# Altium PCB PiMX8MP_BRIDGE_FPC_r0.1.PcbDoc (part 2 of 2)
Units mm, origin at the board's own origin, x right, y up, seen from the top; angles counter-clockwise.
Board outline 53.68 x 17.99 mm, 4 copper layers (Top Layer, L2 GND, L3 GND, Bottom Layer), stack 0.148 mm thick; 2 components, 38 nets, 188 pads, 155 vias.
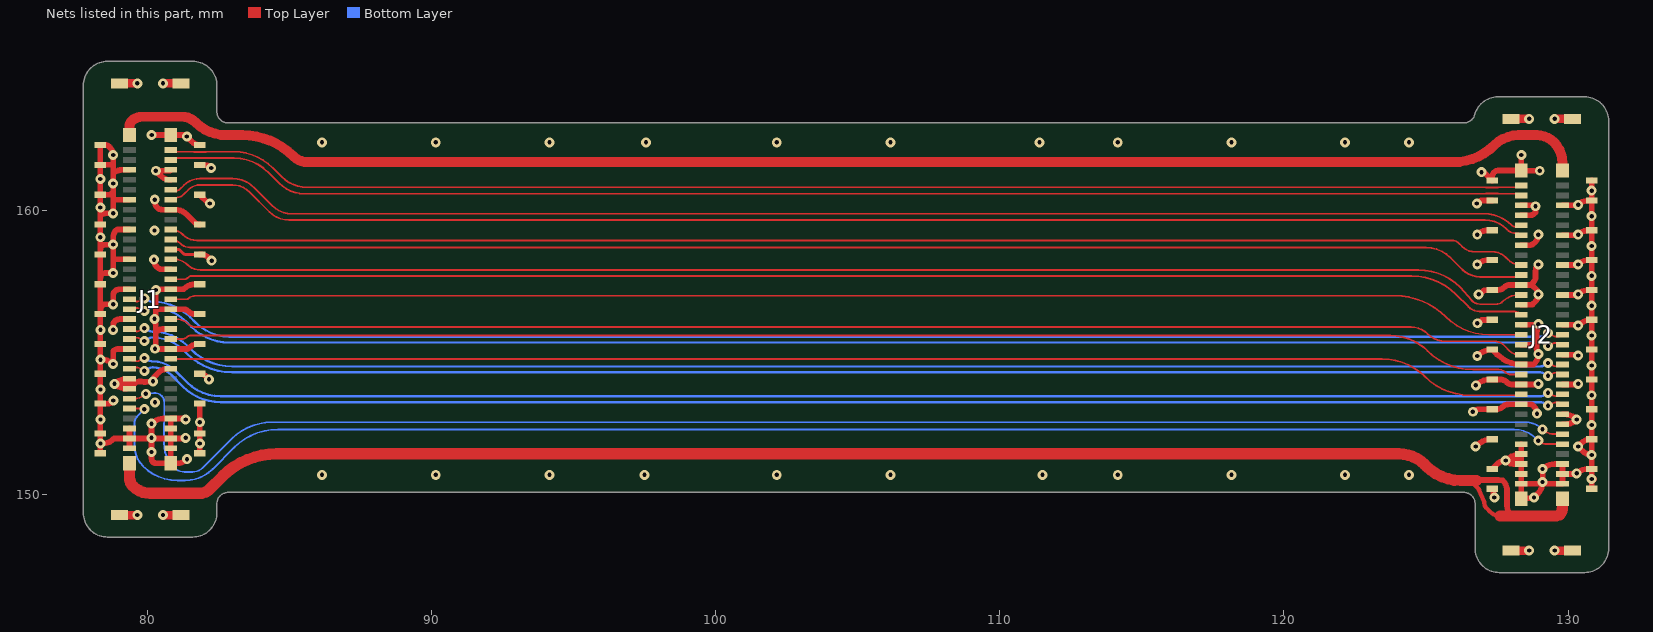
[diagram p4: the nets of this part, all layers, seen from the top]

## Via types
v1: diameter 0.35, hole 0.15, Top Layer to Bottom Layer, tented both sides, 155 vias

## Nets (pads, with @x,y where several pads share a name; then routed paths per layer and width w, separated by ;. In a path a pad name is that pad's centre, name@x,y a point inside that pad or via, vN(x,y) a via of type N, cw(c..) or ccw(c..) an arc to the next point about the centre after c; other vN are vias at no path point) (continued)
GND: J1.5 J1.6 J1.8 J1.11 J1.14 J1.17 J1.22 J1.23 J1.26 J1.29 J1.30 J1.34 J1.35 J1.38 J1.41 J1.42 J1.46 J1.47 J1.49 J1.56 J1.57 J1.58 J1.59 J1.60 J1.61 J1.62 J1.P2 J1.P4 J1.SHD J2.5 J2.6 J2.7 J2.12 J2.13 J2.18 J2.21 J2.24 J2.25 J2.29 J2.30 J2.33 J2.36 J2.37 J2.41 J2.42 J2.45 J2.48 J2.50 J2.53 J2.55 J2.57 J2.58 J2.59 J2.60 J2.61 J2.62 J2.P1 J2.P3 J2.SHD | length 110.3
  Top Layer w0.1: J1.22@80.825,158.62 81.078,158.62 cw(c81.078,158.518) 81.151,158.59 81.251,158.49 ccw(c81.359,158.599) 81.359,158.445 J1.SHD@81.85,158.445
  Top Layer w0.2: J1.SHD@78.35,151.445 J1.SHD@78.35,152.145 J1.SHD@78.35,153.195 ; v1(78.351,151.79) 78.439,151.79 ccw(c78.439,152.302) 78.801,151.94 cw(c78.873,151.868) 78.873,151.97 J1.59@79.375,151.97 ; v1(78.351,155.79) v1@78.35,155.791 ; 78.401,159.84 cw(c78.521,159.719) 78.521,159.89 v1(78.801,159.89) 78.801,160.415 ; v1@78.439,154.74 cw(c78.439,154.228) v1(78.801,154.59) 78.801,155.04 cw(c78.994,154.847) 78.994,155.12 J1.41@79.375,155.12 ; 78.695,162.196 78.651,162.24 ccw(c78.518,162.107) 78.518,162.295 J1.SHD@78.35,162.295 J1.SHD@78.35,161.595 ; 78.695,162.196 cw(c78.439,161.94) v1(78.801,161.94) 78.801,161.615 ; 78.751,160.59 cw(c78.642,160.699) 78.642,160.545 J1.SHD@78.35,160.545 ; v1(78.801,155.79) 78.801,155.969 cw(c78.971,155.969) 78.851,156.09 cw(c79.044,155.897) 79.044,156.17 J1.35@79.375,156.17 ; v1@78.855,153.307 cw(c78.585,153.577) 78.585,153.195 J1.SHD@78.35,153.195 ; J1.49@79.261,153.72 cw(c79.261,154.3) v1(78.851,153.89) ; J1.47@79.285,154.07 ccw(c79.285,153.455) v1(78.851,153.89) ; J1.61@79.375,151.62 J1.59@79.375,151.97 ; J1.57@79.375,152.32 J1.59@79.375,151.97 ; J1.29@79.375,157.22 79.044,157.22 ccw(c79.044,156.947) 78.851,157.14 ccw(c78.971,157.019) 78.801,157.019 v1(78.801,156.69) 78.451,156.69 ccw(c78.695,156.446) J1.SHD@78.35,156.446 ; J1.23@79.375,158.27 78.849,158.27 cw(c78.849,158.338) 78.801,158.29 ; J1.17@79.375,159.32 78.973,159.32 ccw(c78.973,159.218) 78.901,159.29 ccw(c79.142,159.049) 78.801,159.049 v1(78.801,158.79) ; J1.11@79.375,160.37 78.909,160.37 cw(c78.909,160.524) 78.801,160.415 ; J1.5@79.375,161.42 79.115,161.42 ccw(c79.115,160.976) 78.801,161.29 ; v1(80.156,162.645) J1.P2@80.825,162.645 81.268,162.645 cw(c81.268,162.47) v1(81.392,162.594) 81.578,162.407 ccw(c81.85,162.679) J1.SHD@81.85,162.295 ; v1(80.234,158.261) ccw(c80.606,158.261) 80.343,157.998 ccw(c80.531,158.185) 80.531,157.92 J1.26@80.825,157.92 ; v1(80.265,160.37) 80.265,160.298 ccw(c80.559,160.298) 80.351,160.09 ccw(c80.52,160.259) 80.52,160.02 J1.14@80.825,160.02 80.966,160.02 cw(c80.966,159.405) 81.401,159.84 J1.SHD@81.672,159.569 ; 80.351,155.74 cw(c80.544,155.547) 80.544,155.82 J1.38@80.825,155.82 ; 80.585,152.67 ccw(c80.585,152.055) v1(80.151,152.49) v1(80.151,151.99) ; J1.46@80.715,154.42 ccw(c80.715,153.976) 80.401,154.29 80.281,154.171 ccw(c80.472,153.98) v1(80.202,153.98) 79.933,153.956 cw(c79.899,154.35) 79.789,153.971 79.757,153.98 ccw(c79.757,153.673) 79.54,153.89 v1(78.851,153.89) ; J1.8@80.825,161.07 cw(c80.825,161.563) 80.476,161.214 v1(80.301,161.39) 80.752,161.39 ccw(c80.752,161.492) J1.6@80.825,161.42 ; 81.051,151.095 ccw(c81.051,151.59) v1(81.401,151.24) ; v1(81.351,151.99) cw(c81.302,152.038) 81.302,151.97 J1.60@80.825,151.97 ; v1(81.351,152.64) ccw(c81.278,152.568) 81.278,152.67 J1.56@80.825,152.67 J1.58@80.825,152.32 J1.60@80.825,151.97 ; J1.SHD@81.672,159.568 ccw(c81.85,159.746) J1.SHD@81.85,159.495 ; J1.SHD@81.85,151.445 v1(81.851,151.79) v1(81.851,152.54) v1(81.851,152.54) J1.SHD@81.85,153.195 ; J1.SHD@81.85,154.245 cw(c81.85,153.936) 82.068,154.155 v1(82.175,154.048) ; J1.SHD@81.85,156.345 81.68,156.345 cw(c81.68,156.669) 81.451,156.44 ccw(c81.258,156.247) 81.258,156.52 J1.34@80.825,156.52 80.373,156.52 ccw(c80.373,156.418) 80.301,156.49 ; J1.SHD@81.85,157.395 81.675,157.395 ccw(c81.675,156.866) 81.301,157.24 cw(c81.252,157.288) 81.252,157.22 J1.30@80.825,157.22 80.373,157.22 ccw(c80.373,157.118) v1(80.301,157.19) 80.301,156.49 ; J1.SHD@81.85,158.445 cw(c81.85,157.966) 82.188,158.305 v1(82.268,158.225) ; J1.SHD@81.85,160.545 82.122,160.273 ccw(c82.201,160.351) v1(82.201,160.24) ; J1.SHD@81.85,161.595 81.86,161.585 82.115,161.585 82.21,161.49 v1(82.251,161.49) ; J1.SHD@81.859,155.302 J1.SHD@81.85,155.295 81.825,155.295 ccw(c81.825,154.766) 81.451,155.14 cw(c81.402,155.188) 81.402,155.12 J1.42@80.825,155.12 80.7,155.12 80.411,155.12 80.27,155.129 80.268,155.129 80.258,155.154 80.268,155.211 80.294,155.236 80.294,156.014 80.276,156.031 80.258,156.074 v1(80.258,156.179) ccw(c80.154,156.283) 80.301,156.283 80.301,156.49 ; v1@126.687,152.908 v1(126.647,152.908) cw(c126.857,152.698) 126.857,152.995 J2.SHD@127.326,152.995 ; v1(126.751,153.84) cw(c127.246,153.345) J2.SHD@127.246,154.045 ; v1@126.779,151.719 cw(c127.326,151.172) J2.SHD@127.326,151.945 ; v1(126.787,160.239) 126.828,160.239 126.933,160.345 J2.SHD@127.326,160.345 ; v1(126.801,154.873) 126.809,154.881 cw(c127.326,154.364) J2.SHD@127.326,155.095 127.336,155.085 127.497,154.924 ccw(c127.531,154.958) 127.511,154.914 cw(c127.427,154.733) 127.562,154.88 ccw(c128.351,155.729) 128.348,154.57 J2.37@128.351,154.57 128.752,154.57 ccw(c128.752,154.638) 128.801,154.59 128.809,154.599 ccw(c128.468,154.94) v1(128.951,154.94) cw(c129.078,155.067) 128.898,155.067 128.898,155.674 cw(c129.293,155.674) 128.905,155.748 128.945,155.962 v1(128.951,155.99) cw(c128.902,156.038) 128.902,155.97 J2.29@128.351,155.97 ; v1(126.801,158.09) cw(c127.175,157.716) 127.175,158.245 J2.SHD@127.326,158.245 ; v1(126.801,159.14) cw(c127.175,158.766) 127.175,159.295 J2.SHD@127.326,159.295 ; v1(126.804,156.023) 126.845,156.023 126.962,156.14 127.321,156.14 J2.SHD@127.326,156.145 ; v1(126.851,157.04) 126.891,157.04 127.036,157.185 127.316,157.185 J2.SHD@127.326,157.195 127.521,157.195 ccw(c127.521,157.519) 127.751,157.29 cw(c127.944,157.097) 127.944,157.37 J2.21@128.351,157.37 128.678,157.37 ; J2.SHD@127.326,150.195 127.336,150.185 127.372,150.185 127.372,149.919 v1(127.401,149.89) ; J2.SHD@127.326,150.895 127.493,151.063 cw(c127.801,150.755) v1(127.801,151.19) ; J2.SHD@127.326,154.045 127.597,154.045 cw(c127.597,153.687) 127.851,153.94 ccw(c128.02,154.109) 128.02,153.87 128.902,153.87 ccw(c128.902,153.938) v1(128.951,153.89) ; J2.SHD@127.471,152.995 ccw(c127.471,153.319) 127.701,153.09 cw(c127.894,152.897) 127.894,153.17 J2.45@128.351,153.17 128.678,153.17 cw(c128.678,153.068) 128.751,153.14 128.795,153.096 cw(c128.539,152.84) v1(128.901,152.84) ; 128.09,151.07 cw(c128.09,151.48) v1(127.801,151.19) ; J2.53@128.351,151.77 J2.55@128.351,151.42 ; J2.33@128.351,155.27 128.786,155.27 128.834,155.223 128.835,155.222 cw(c128.691,155.083) 128.88,155.147 ; J2.25@128.351,156.67 128.702,156.67 ccw(c128.702,156.738) 128.751,156.69 128.845,156.784 ccw(c128.589,157.04) v1(128.951,157.04) ccw(c128.709,157.04) 128.88,157.211 128.751,157.34 ccw(c128.678,157.268) 128.678,157.37 ; J2.13@128.351,158.77 128.632,158.77 ccw(c128.632,159.009) 128.801,158.84 128.845,158.884 ccw(c128.589,159.14) v1(128.951,159.14) ; J2.7@128.351,159.82 128.623,159.82 ccw(c128.623,160.122) 128.837,159.908 ccw(c128.803,159.942) 128.851,159.942 v1(128.851,160.14) ccw(c128.778,160.068) 128.778,160.17 J2.5@128.351,160.17 ; v1(128.351,161.94) J2.P1@128.351,161.395 127.534,161.395 ccw(c127.534,161.207) 127.401,161.34 ccw(c127.582,161.159) 127.326,161.159 J2.SHD@127.326,161.045 v1@127.087,161.283 ; J2.P1@128.356,161.39 v1(129.001,161.39) ; v1(128.951,158.09) ccw(c129.192,157.849) 128.851,157.849 128.851,157.64 cw(c128.615,157.64) 128.782,157.473 128.678,157.37 ; J2.50@129.801,152.47 129.89,152.47 ccw(c129.89,153.05) v1(130.301,152.64) ccw(c129.866,152.205) 129.866,152.82 J2.48@129.801,152.82 ; J2.42@129.801,153.87 130.302,153.87 ccw(c130.302,153.938) v1(130.351,153.89) ; J2.36@129.801,154.92 130.278,154.92 cw(c130.278,154.818) v1(130.351,154.89) ; J2.30@129.801,155.97 130.278,155.97 cw(c130.278,155.868) v1(130.351,155.94) ; J2.24@129.801,157.02 130.302,157.02 ccw(c130.302,157.088) v1(130.351,157.04) cw(c130.725,156.666) J2.SHD@130.725,157.195 ; J2.18@129.801,158.07 130.302,158.07 ccw(c130.302,158.138) v1(130.351,158.09) cw(c130.725,157.716) J2.SHD@130.725,158.245 ; J2.12@129.801,159.12 v1@130.331,159.12 ; J2.6@129.801,160.17 v1@130.331,160.17 ; v1(130.351,159.14) cw(c130.725,158.766) J2.SHD@130.725,159.295 ; v1(130.351,160.19) cw(c130.725,159.816) J2.SHD@130.725,160.345 ; v1@130.365,155.954 cw(c130.826,155.493) J2.SHD@130.826,156.145 ; J2.SHD@130.826,150.195 J2.SHD@130.826,150.895 ; J2.SHD@130.826,161.045 J2.SHD@130.826,160.345 J2.SHD@130.826,159.295 J2.SHD@130.826,158.245 J2.SHD@130.826,157.195 J2.SHD@130.826,156.145 ; v1(130.827,150.54) v1@130.915,150.54 ; J1.SHD@78.35,153.195 J1.SHD@78.35,154.245 J1.SHD@78.35,155.295 v1@78.35,155.791 ; v1@78.35,155.791 J1.SHD@78.35,156.345 J1.SHD@78.35,156.446 ; J1.SHD@78.35,156.446 J1.SHD@78.35,157.395 78.35,157.617 ; 78.35,157.617 cw(c78.524,157.617) 78.401,157.74 cw(c78.521,157.619) 78.521,157.79 v1(78.801,157.79) 78.801,158.29 ; 78.35,157.617 J1.SHD@78.35,158.445 78.35,158.617 ; 78.35,158.617 cw(c78.524,158.617) 78.401,158.74 cw(c78.521,158.619) 78.521,158.79 v1(78.801,158.79) ; 78.35,158.617 J1.SHD@78.35,159.495 78.35,159.717 v1(78.35,160.1) J1.SHD@78.35,160.545 ; J1.SHD@78.35,160.545 v1(78.35,161.1) J1.SHD@78.35,161.595 ; J1.SHD@78.35,161.595 78.752,161.595 ccw(c78.752,161.663) 78.801,161.615 ; 78.801,158.29 v1(78.801,158.79) ; 78.801,160.415 v1(78.801,160.94) 78.801,161.29 ; 78.801,161.29 78.801,161.615 ; J1.59@79.375,151.97 80.102,151.97 ccw(c80.102,152.038) v1(80.151,151.99) ; v1(80.151,151.99) ccw(c80.199,152.038) 80.199,151.97 J1.60@80.825,151.97 ; v1(80.151,151.99) v1(80.151,151.49) 80.151,151.261 ccw(c80.321,151.261) 80.201,151.14 ccw(c80.309,151.249) 80.309,151.095 J1.P4@80.825,151.095 J1.62@80.825,151.62 J1.60@80.825,151.97 ; v1@127.087,161.283 ccw(c126.951,161.147) v1(126.951,161.34) cw(c126.951,161.147) v1@127.087,161.283 ; v1(127.801,151.19) ccw(c127.801,151.963) 128.347,151.416 J2.55@128.351,151.42 ; v1(127.801,151.19) 127.804,151.194 cw(c128.351,150.647) J2.55@128.351,151.42 ; v1(127.801,151.19) 128.218,151.19 ccw(c128.218,151.378) 128.351,151.245 ; J2.61@128.351,150.37 J2.59@128.351,150.72 J2.57@128.351,151.07 128.351,151.245 ; J2.61@128.351,150.37 J2.P3@128.351,149.845 128.373,149.868 128.778,149.868 v1(128.801,149.89) 128.924,150.013 ccw(c128.497,150.44) v1(129.101,150.44) ; J2.61@128.351,150.37 128.932,150.37 ccw(c128.932,150.609) v1(129.101,150.44) ; 128.351,151.245 J2.55@128.351,151.42 ; v1(129.101,150.44) ccw(c129.27,150.609) 129.27,150.37 J2.62@129.801,150.37 J2.60@129.801,150.72 ; v1(129.101,150.44) v1(129.101,150.89) cw(c129.535,150.455) 129.535,151.07 J2.58@129.801,151.07 J2.60@129.801,150.72 ; J2.60@129.801,150.72 130.252,150.72 ccw(c130.252,150.788) v1(130.301,150.74) cw(c130.675,150.366) 130.675,150.895 J2.SHD@130.826,150.895 ; J2.SHD@130.826,150.895 v1(130.827,151.39) ; v1(130.827,151.39) cw(c130.827,151.815) 130.526,151.514 v1(130.351,151.69) 130.45,151.789 cw(c130.826,151.414) J2.SHD@130.826,151.945 ; v1(130.827,151.39) J2.SHD@130.826,151.945 ; J2.SHD@130.826,151.945 J2.SHD@130.826,152.995 J2.SHD@130.826,154.045 J2.SHD@130.826,155.095 J2.SHD@130.826,156.145
  Top Layer w0.3: J1.SHD@79.02,149.275 v1(79.651,149.275) ; J1.SHD@79.02,164.465 v1(79.651,164.465) ; v1(80.551,149.275) J1.SHD@81.18,149.275 ; v1(80.551,164.465) J1.SHD@81.18,164.465 ; J2.SHD@127.996,148.025 v1(128.627,148.025) ; J2.SHD@127.996,163.215 v1(128.627,163.215) ; v1(129.527,148.025) J2.SHD@130.156,148.025 ; v1(129.527,163.215) J2.SHD@130.156,163.215
  other v1: 86.151,150.69 90.151,150.69 94.151,150.69 97.5,150.69 102.151,150.69 106.151,150.69 111.5,150.69 114.151,150.69 118.151,150.69 122.151,150.69 124.401,150.69 126.747,151.686 130.827,152.44 78.351,152.64 80.27,153.24 78.805,153.307 130.827,153.49 78.351,153.69 130.827,154.54 78.351,154.74 80.27,155.125 130.827,155.59 130.827,156.64 130.827,157.69 130.827,158.74 78.35,159.05 80.251,159.29 130.827,159.79 130.827,160.69 86.151,162.39 90.151,162.39 94.151,162.39 97.55,162.39 102.151,162.39 106.151,162.39 111.4,162.39 114.151,162.39 118.151,162.39 122.151,162.39 124.401,162.39
I2C_SCL: J1.20 J2.19 | length 48
  Top Layer w0.065: J1.20@80.825,158.97 cw(c80.825,158.497) 81.159,158.831 ccw(c81.501,159.173) 81.501,158.69 124.994,158.69 cw(c124.994,157.466) 125.859,158.331 126.276,157.914 ccw(c126.901,158.539) 126.901,157.656 128.195,157.656 ccw(c128.195,157.875) J2.19@128.351,157.72
I2C_SDA: J1.18 J2.17 | length 47.9
  Top Layer w0.065: J1.18@80.825,159.32 cw(c80.825,158.726) 81.245,159.146 ccw(c81.742,159.644) 81.742,158.94 125.135,158.94 125.909,158.94 cw(c125.909,158.599) 126.151,158.84 126.268,158.723 ccw(c126.709,159.164) 126.709,158.54 127.318,158.54 cw(c127.318,157.857) 127.801,158.34 127.873,158.268 ccw(c128.351,158.746) J2.17@128.351,158.07
PCIE_CLK_N: J1.43 J2.44 | length 51
  Top Layer w0.064: J1.43@79.375,154.77 79.391,154.754 ccw(c79.517,154.879) 79.517,154.702 79.59,154.702 ccw(c79.626,154.738) 79.626,154.687 79.638,154.687 ccw(c79.638,154.88) 79.775,154.743 79.784,154.752 cw(c79.899,154.638) v1(79.899,154.8) ; v1(129.293,153.574) cw(c129.293,153.421) 129.401,153.529 ccw(c129.576,153.703) 129.576,153.457 129.648,153.457 ccw(c129.648,153.673) J2.44@129.801,153.52
  Bottom Layer w0.081: v1(79.899,154.8) cw(c79.899,154.654) 80.002,154.757 ccw(c80.191,154.946) 80.191,154.679 80.193,154.679 cw(c80.193,153.54) 80.998,154.345 81.397,153.947 ccw(c82.59,155.14) 82.59,153.453 129.025,153.453 ccw(c129.025,153.66) 129.172,153.513 129.189,153.531 cw(c129.293,153.427) v1(129.293,153.574)
PCIE_CLK_P: J1.45 J2.46 | length 51
  Top Layer w0.064: J1.45@79.375,154.42 cw(c79.479,154.316) 79.479,154.463 79.638,154.463 cw(c79.638,154.27) 79.775,154.407 79.784,154.398 ccw(c79.899,154.512) v1(79.899,154.35) ; v1(129.293,153.124) ccw(c129.293,153.295) 129.414,153.174 cw(c129.557,153.031) 129.557,153.233 129.648,153.233 cw(c129.648,153.017) J2.46@129.801,153.17
  Bottom Layer w0.081: v1(79.899,154.35) ccw(c79.899,154.496) 80.002,154.393 cw(c80.191,154.204) 80.191,154.471 cw(c80.191,153.536) 80.853,154.197 81.251,153.799 ccw(c82.588,155.136) 82.588,153.245 129.025,153.245 cw(c129.025,153.038) 129.171,153.185 129.189,153.167 ccw(c129.293,153.27) v1(129.293,153.124)
PCIe_CLK_REQ: J1.53 J2.54 | length 53.5
  Top Layer w0.065: J1.53@79.375,153.02 79.879,153.02 v1(79.899,153) ; v1(128.951,151.89) ccw(c129.24,152.18) 129.24,151.77 J2.54@129.801,151.77
  Bottom Layer w0.065: v1(79.899,153) 79.665,152.767 ccw(c79.942,152.49) 79.551,152.49 79.551,151.714 ccw(c80.575,151.714) 79.851,150.99 ccw(c81.058,152.197) 81.058,150.49 81.335,150.49 ccw(c81.335,151.856) 82.301,150.89 83.064,151.654 cw(c84.601,150.117) 84.601,152.29 128.101,152.29 cw(c128.101,151.204) v1@128.869,151.972
PCIE_nRST: J1.51 J2.52 | length 53.5
  Top Layer w0.065: J1.51@79.375,153.37 79.54,153.37 ccw(c79.54,153.95) v1(79.951,153.54) ; v1(129.101,152.29) ccw(c129.511,152.7) 129.511,152.12 J2.52@129.801,152.12
  Bottom Layer w0.065: v1(79.951,153.54) 80.24,153.566 cw(c80.27,153.24) 80.586,153.326 cw(c80.27,153.24) 80.597,153.237 80.586,151.821 ccw(c81.832,151.821) 80.951,150.94 ccw(c81.313,151.302) 81.313,150.79 81.589,150.79 ccw(c81.589,151.302) 81.951,150.94 82.95,151.939 cw(c84.401,150.488) 84.401,152.54 128.497,152.54 cw(c128.497,151.686) v1(129.101,152.29)
PCIE_RX_N: J1.37 J2.38 | length 50.9
  Top Layer w0.064: J1.37@79.375,155.82 79.391,155.804 ccw(c79.517,155.929) 79.517,155.752 79.59,155.752 ccw(c79.626,155.788) 79.626,155.737 79.638,155.737 ccw(c79.638,155.93) 79.775,155.793 79.784,155.802 cw(c79.899,155.688) v1(79.899,155.85) ; v1(129.293,154.624) cw(c129.293,154.471) 129.401,154.579 ccw(c129.576,154.753) 129.576,154.507 129.648,154.507 ccw(c129.648,154.723) J2.38@129.801,154.57
  Bottom Layer w0.081: v1(79.899,155.85) cw(c79.899,155.704) 80.002,155.807 ccw(c80.191,155.996) 80.191,155.729 80.195,155.729 cw(c80.195,153.99) 81.424,155.22 81.547,155.097 ccw(c82.981,156.531) 82.981,154.503 129.025,154.503 ccw(c129.025,154.71) 129.172,154.563 129.189,154.581 cw(c129.293,154.477) v1(129.293,154.624)
PCIE_RX_P: J1.39 J2.40 | length 50.9
  Top Layer w0.064: J1.39@79.375,155.47 cw(c79.479,155.366) 79.479,155.513 79.638,155.513 cw(c79.638,155.32) 79.775,155.457 79.784,155.448 ccw(c79.899,155.562) v1(79.899,155.4) ; v1(129.293,154.174) ccw(c129.293,154.345) 129.414,154.224 cw(c129.557,154.081) 129.557,154.283 129.648,154.283 cw(c129.648,154.067) J2.40@129.801,154.22
  Bottom Layer w0.081: v1(79.899,155.4) ccw(c79.899,155.546) 80.002,155.443 cw(c80.191,155.254) 80.191,155.521 cw(c80.191,153.983) 81.279,155.071 81.401,154.949 ccw(c82.979,156.527) 82.979,154.295 129.025,154.295 cw(c129.025,154.088) v1@129.171,154.235 ; v1@129.172,154.234 129.189,154.217 ccw(c129.293,154.32) v1(129.293,154.174)
PCIEC_TX_N: J1.31 J2.32 | length 51
  Top Layer w0.064: J1.31@79.375,156.87 79.391,156.854 ccw(c79.517,156.979) 79.517,156.802 79.59,156.802 ccw(c79.626,156.838) 79.626,156.787 79.638,156.787 ccw(c79.638,156.98) 79.775,156.843 79.784,156.852 cw(c79.899,156.738) v1(79.899,156.9) ; v1(129.293,155.674) cw(c129.293,155.521) 129.401,155.629 ccw(c129.576,155.803) 129.576,155.557 129.648,155.557 ccw(c129.648,155.773) J2.32@129.801,155.62
  Bottom Layer w0.081: v1(79.899,156.9) cw(c79.899,156.754) 80.002,156.857 ccw(c80.191,157.046) 80.191,156.779 80.195,156.779 cw(c80.195,154.92) 81.509,156.234 81.697,156.047 ccw(c82.89,157.24) 82.89,155.553 129.025,155.553 ccw(c129.025,155.76) 129.172,155.613 129.189,155.631 cw(c129.293,155.527) v1(129.293,155.674)
PCIEC_TX_P: J1.33 J2.34 | length 50.9
  Top Layer w0.064: J1.33@79.375,156.52 cw(c79.479,156.416) 79.479,156.563 79.638,156.563 cw(c79.638,156.37) 79.775,156.507 79.784,156.498 ccw(c79.899,156.612) v1(79.899,156.45) ; v1(129.293,155.224) ccw(c129.293,155.395) 129.414,155.274 cw(c129.557,155.131) 129.557,155.333 129.648,155.333 cw(c129.648,155.117) J2.34@129.801,155.27
  Bottom Layer w0.081: v1(79.899,156.45) ccw(c79.899,156.596) 80.002,156.493 cw(c80.191,156.304) 80.191,156.571 cw(c80.191,154.912) 81.365,156.085 81.551,155.899 ccw(c82.888,157.236) 82.888,155.345 129.025,155.345 cw(c129.025,155.138) 129.171,155.285 129.189,155.267 ccw(c129.293,155.37) v1(129.293,155.224)
PCM_MCLK: J1.28 J2.27 | length 48
  Top Layer w0.065: J1.28@80.825,157.57 81.282,157.57 ccw(c81.282,157.809) 81.451,157.64 cw(c81.571,157.519) 81.571,157.69 124.482,157.69 cw(c124.482,155.471) 126.051,157.04 126.495,156.596 ccw(c126.871,156.973) 126.871,156.44 128.061,156.44 cw(c128.061,156.03) J2.27@128.351,156.32
PCM_RX_IN: J1.32 J2.31 | length 47.9
  Top Layer w0.065: J1.32@80.825,156.87 81.402,156.87 ccw(c81.402,156.938) 81.451,156.89 cw(c81.692,156.649) 81.692,156.99 123.899,156.99 cw(c123.899,154.45) 125.695,156.246 ccw(c127.206,157.757) 127.206,155.62 J2.31@128.351,155.62
PCM_RX_SYNC: J1.44 J2.43 | length 47.9
  Top Layer w0.065: J1.44@80.825,154.77 123.453,154.77 cw(c123.453,152.653) 124.95,154.15 ccw(c126.543,155.743) 126.543,153.49 126.551,153.49 128.278,153.49 ccw(c128.278,153.592) J2.43@128.351,153.52
PCM_TX_OUT: J1.36 J2.35 | length 47.9
  Top Layer w0.065: J1.36@80.825,156.17 81.016,156.17 cw(c81.016,155.555) 81.451,155.99 ccw(c81.692,156.231) 81.692,155.89 123.931,155.89 124.47,155.89 cw(c124.471,155.071) 125.05,155.65 ccw(c125.678,156.278) 125.678,155.39 127.401,155.39 cw(c127.401,154.907) 127.742,155.249 127.951,155.04 ccw(c128.24,155.33) 128.24,154.92 J2.35@128.351,154.92
PCM_TX_SYNC: J1.40 J2.39 | length 47.9
  Top Layer w0.065: J1.40@80.825,155.47 81.232,155.47 ccw(c81.232,155.709) 81.401,155.54 cw(c81.521,155.419) 81.521,155.59 123.746,155.59 cw(c123.746,153.746) 125.05,155.05 ccw(c126.643,156.643) 126.643,154.39 126.801,154.39 127.559,154.39 cw(c127.559,154.049) 127.801,154.29 ccw(c127.97,154.459) 127.97,154.22 J2.39@128.351,154.22
UART_nWAKE: J1.24 J2.23 | length 48.1
  Top Layer w0.065: J1.24@80.825,158.27 80.966,158.27 cw(c80.966,157.655) 81.401,158.09 ccw(c81.865,158.555) 81.865,157.898 124.734,157.898 cw(c124.734,155.823) 126.201,157.29 cw(c126.155,157.244) 126.204,157.286 126.603,156.826 ccw(c126.851,157.04) 126.771,156.722 126.901,156.69 127.459,156.69 ccw(c127.459,157.031) 127.701,156.79 cw(c128.256,156.235) 128.256,157.02 J2.23@128.351,157.02
USB_FPC1_N: J1.10 J2.9 | length 48.2
  Top Layer w0.064: J1.10@80.825,160.72 ccw(c80.88,160.775) 80.88,160.697 81.047,160.697 ccw(c81.047,160.844) 81.151,160.74 81.293,160.883 cw(c81.851,160.325) 81.851,161.114 82.997,161.114 cw(c82.997,160.036) 83.759,160.798 84.395,160.162 ccw(c85.084,160.851) 85.084,159.877 127.038,159.877 cw(c127.038,158.504) 128.009,159.475 ccw(c128.151,159.617) 128.151,159.416 128.219,159.416 ccw(c128.219,159.601) J2.9@128.351,159.47
USB_FPC1_P: J1.12 J2.11 | length 48.3
  Top Layer w0.064: J1.12@80.825,160.37 cw(c80.99,160.205) 80.99,160.438 ccw(c80.99,160.862) 81.289,160.562 81.451,160.725 cw(c81.851,160.325) 81.851,160.89 82.997,160.89 cw(c82.997,160.036) 83.601,160.64 84.302,159.939 ccw(c84.991,160.628) 84.991,159.653 127.076,159.653 cw(c127.076,158.597) 127.823,159.344 127.851,159.317 ccw(c128.16,159.626) 128.16,159.188 128.186,159.188 cw(c128.186,158.955) J2.11@128.351,159.12
USB_FPC2_N: J1.4 J2.3 | length 48
  Top Layer w0.064: J1.4@80.825,161.77 cw(c80.977,161.617) 80.977,161.833 81.018,161.833 81.62,161.833 cw(c81.65,161.705) 81.65,161.837 82.05,161.837 cw(c82.05,161.705) 82.08,161.833 83.06,161.833 cw(c83.06,160.149) 84.251,161.34 84.642,160.949 ccw(c85.525,161.832) 85.525,160.583 127.096,160.583 cw(c127.126,160.455) 127.126,160.587 127.526,160.587 cw(c127.526,160.455) 127.556,160.583 128.056,160.583 ccw(c128.057,160.87) 128.057,160.583 128.157,160.583 128.198,160.583 cw(c128.198,160.367) J2.3@128.351,160.52
USB_FPC2_P: J1.2 J2.1 | length 47.9
  Top Layer w0.064: J1.2@80.825,162.12 ccw(c80.977,162.273) 80.977,162.057 81.018,162.061 81.115,162.057 ccw(c81.118,162.12) 81.118,162.057 81.62,162.057 ccw(c81.65,162.185) 81.65,162.053 82.05,162.053 ccw(c82.05,162.185) 82.08,162.057 83.06,162.057 cw(c83.06,160.149) 84.409,161.498 84.734,161.172 ccw(c85.617,162.055) 85.617,160.807 127.096,160.807 ; 127.096,160.807 ccw(c127.126,160.935) 127.126,160.803 127.526,160.803 ccw(c127.526,160.935) 127.556,160.807 128.057,160.807 ; 128.057,160.807 ccw(c128.057,160.87) 128.06,160.807 128.157,160.811 128.198,160.807 ccw(c128.198,161.023) J2.1@128.351,160.87
VCC1.8: J1.P3 J2.P4 | length 55.8
  Top Layer w0.15: 126.497,150.49 cw(c126.497,150.359) 126.589,150.452 126.839,150.202 cw(c126.732,150.097) 126.87,150.154 127.039,149.748 cw(c126.901,149.69) 127.051,149.69 ccw(c127.292,149.69) 127.121,149.519 127.259,149.381 ccw(c127.601,149.723) 127.601,149.24
  Top Layer w0.2: 126.215,150.487 126.217,150.49 ; 126.589,150.452 cw(c126.717,150.324) 126.645,150.49 cw(c126.717,150.324) 126.717,150.505 127.126,150.505 ; 127.121,150.505 cw(c127.126,150.305) 127.126,150.505 ; 127.7,150.49 127.545,150.504 ccw(c127.526,150.305) 127.526,150.505 127.126,150.505 ; 127.701,150.49 cw(c127.339,150.128) 127.851,150.128 127.851,149.602 ccw(c128.363,149.602) 128.001,149.24
  Top Layer w0.25: 129.58,149.24 ccw(c129.58,149.411) 129.701,149.29 ; 129.801,149.531 J2.P4@129.801,149.845
  Top Layer w0.4: J1.P3@79.375,151.095 79.375,150.594 ccw(c79.805,150.594) 79.501,150.29 ccw(c80.104,150.894) 80.104,150.04 81.839,150.04 ccw(c81.839,150.552) 82.201,150.19 82.646,150.635 cw(c84.558,148.723) 84.558,151.427 124.039,151.427 cw(c124.039,150.139) 124.95,151.05 125.01,150.99 ccw(c126.217,152.197) 126.217,150.49 126.497,150.49 126.645,150.49 126.776,150.49 ; 127.601,149.24 128.001,149.24 129.58,149.24 ; 129.701,149.29 ccw(c129.459,149.531) 129.801,149.531
VCC3.3: J1.P1 J2.P2 | length 52.4
  Top Layer w0.35: J1.P1@79.375,162.645 79.375,162.957 cw(c79.634,162.957) 79.451,163.14 cw(c79.813,162.778) 79.813,163.29 81.218,163.29 cw(c81.218,162.607) 81.701,163.09 ccw(c82.787,164.176) 82.787,162.64 83.349,162.64 cw(c83.349,160.1) 85.145,161.896 ccw(c85.642,162.394) 85.642,161.69 125.952,161.69 ccw(c125.952,163.739) 127.401,162.29 cw(c128.246,161.445) 128.246,162.64 128.897,162.64 cw(c128.897,161.786) 129.501,162.39 cw(c128.776,161.666) 129.801,161.666 J2.P2@129.801,161.395
pads on no net: J1.54

## Polygon pours and split planes (outlines as drawn)
no net on Layer0 "Default Coverlay 1 Top" (split plane): 78.516,148.5 78.352,148.533 78.197,148.597 78.058,148.69 77.94,148.808 77.847,148.947 77.783,149.102 77.75,149.266 77.75,149.35 77.75,164.39 77.75,164.474 77.783,164.638 77.847,164.793 77.94,164.932 78.058,165.05 78.197,165.143 78.352,165.207 78.516,165.24 78.6,165.24 81.6,165.24 81.684,165.24 81.848,165.207 82.003,165.143 82.142,165.05 82.26,164.932 82.353,164.793 82.417,164.638 82.45,164.474 82.45,164.39 82.45,163.47 82.458,163.392 82.517,163.248 82.628,163.137 82.772,163.078 82.85,163.07 126.326,163.07 126.391,163.075 126.514,163.117 126.617,163.196 126.689,163.303 126.712,163.364 126.748,163.499 126.905,163.731 127.127,163.901 127.392,163.99 127.531,163.99 130.576,163.99 130.659,163.99 130.824,163.957 130.978,163.893 131.118,163.8 131.236,163.682 131.329,163.543 131.393,163.388 131.426,163.224 131.426,163.14 131.426,148.1 131.426,148.016 131.393,147.852 131.329,147.697 131.236,147.558 131.118,147.44 130.978,147.347 130.824,147.283 130.659,147.25 130.576,147.25 127.576,147.25 127.492,147.25 127.328,147.283 127.173,147.347 127.034,147.44 126.915,147.558 126.822,147.697 126.758,147.852 126.726,148.016 126.726,148.1 126.726,149.67 126.718,149.748 126.658,149.892 126.548,150.003 126.404,150.062 126.326,150.07 82.85,150.07 82.772,150.062 82.628,150.003 82.517,149.892 82.458,149.748 82.45,149.67 82.45,149.35 82.45,149.266 82.417,149.102 82.353,148.947 82.26,148.808 82.142,148.69 82.003,148.597 81.848,148.533 81.684,148.5 81.6,148.5
GND on L2 GND "NONET_L04_P-001" (solid, pour order 19): 78.6,148.5 cw(c78.6,149.35) 77.75,149.35 77.75,164.39 cw(c78.6,164.39) 78.6,165.24 81.6,165.24 cw(c81.6,164.39) 82.45,164.39 82.45,163.47 ccw(c82.85,163.47) 82.85,163.07 126.326,163.07 ccw(c126.326,163.47) 126.712,163.364 cw(c127.531,163.14) 127.531,163.99 130.576,163.99 cw(c130.576,163.14) 131.426,163.14 131.426,148.1 cw(c130.576,148.1) 130.576,147.25 127.576,147.25 cw(c127.576,148.1) 126.726,148.1 126.726,149.67 ccw(c126.326,149.67) 126.326,150.07 82.85,150.07 ccw(c82.85,149.67) 82.45,149.67 82.45,149.35 cw(c81.6,149.35) 81.6,148.5
no net on Layer0 "Default Coverlay 1 Bottom" (split plane): 78.516,148.5 78.352,148.533 78.197,148.597 78.058,148.69 77.94,148.808 77.847,148.947 77.783,149.102 77.75,149.266 77.75,149.35 77.75,164.39 77.75,164.474 77.783,164.638 77.847,164.793 77.94,164.932 78.058,165.05 78.197,165.143 78.352,165.207 78.516,165.24 78.6,165.24 81.6,165.24 81.684,165.24 81.848,165.207 82.003,165.143 82.142,165.05 82.26,164.932 82.353,164.793 82.417,164.638 82.45,164.474 82.45,164.39 82.45,163.47 82.458,163.392 82.517,163.248 82.628,163.137 82.772,163.078 82.85,163.07 126.326,163.07 126.391,163.075 126.514,163.117 126.617,163.196 126.689,163.303 126.712,163.364 126.748,163.499 126.905,163.731 127.127,163.901 127.392,163.99 127.531,163.99 130.576,163.99 130.659,163.99 130.824,163.957 130.978,163.893 131.118,163.8 131.236,163.682 131.329,163.543 131.393,163.388 131.426,163.224 131.426,163.14 131.426,148.1 131.426,148.016 131.393,147.852 131.329,147.697 131.236,147.558 131.118,147.44 130.978,147.347 130.824,147.283 130.659,147.25 130.576,147.25 127.576,147.25 127.492,147.25 127.328,147.283 127.173,147.347 127.034,147.44 126.915,147.558 126.822,147.697 126.758,147.852 126.726,148.016 126.726,148.1 126.726,149.67 126.718,149.748 126.658,149.892 126.548,150.003 126.404,150.062 126.326,150.07 82.85,150.07 82.772,150.062 82.628,150.003 82.517,149.892 82.458,149.748 82.45,149.67 82.45,149.35 82.45,149.266 82.417,149.102 82.353,148.947 82.26,148.808 82.142,148.69 82.003,148.597 81.848,148.533 81.684,148.5 81.6,148.5
GND on L3 GND "NONET_L04_P-001" (solid, pour order 18): 78.6,148.5 cw(c78.6,149.35) 77.75,149.35 77.75,164.39 cw(c78.6,164.39) 78.6,165.24 81.6,165.24 cw(c81.6,164.39) 82.45,164.39 82.45,163.47 ccw(c82.85,163.47) 82.85,163.07 126.326,163.07 ccw(c126.326,163.47) 126.712,163.364 cw(c127.531,163.14) 127.531,163.99 130.576,163.99 cw(c130.576,163.14) 131.426,163.14 131.426,148.1 cw(c130.576,148.1) 130.576,147.25 127.576,147.25 cw(c127.576,148.1) 126.726,148.1 126.726,149.67 ccw(c126.326,149.67) 126.326,150.07 82.85,150.07 ccw(c82.85,149.67) 82.45,149.67 82.45,149.35 cw(c81.6,149.35) 81.6,148.5

## Other copper
Top Layer:
  region: 127.975,161.225 127.975,160.975 127.725,160.975
  region: 79.025,162.675 79.025,162.425 78.775,162.425
  text "D Board" at 124.9,162.206 h0.6
  text "IO Board" at 83.6,150.506 h0.6
  text ".Layer_Name" at 73.103,31.509 h2
L2 GND:
  text "'.Layer_Name'" at 75.935,31.185 h2
L3 GND:
  text "'.Layer_Name'" at 75.935,31.185 h2
Bottom Layer:
  text "20260124" at 94.2,161.199 h1
  text "OV Tech GmbH" at 106.2,161.2 h1
  text "REV0.1" at 109.4,161.2 h1
  text "PiMX8MPIOBRIDGE" at 122.45,161.2 h1
  text "'.Layer_Name'" at 70.437,31.509 h2

## Silkscreen, mask and mechanical layers (free items; w line width, h text height)
Top Overlay:
  text "'.Layer_Name'" at 71.103,31.509 h2
Bottom Overlay:
  text "'.Layer_Name'" at 68.438,31.509 h2
Top Paste:
  text "'.Layer_Name'" at 73.103,31.509 h2
Bottom Paste:
  text "'.Layer_Name'" at 70.437,31.175 h2
Flex Top Coverlay:
  text "'.Layer_Name'" at 65.272,31.509 h2
Flex Bottom Coverlay:
  text "'.Layer_Name'" at 62.606,31.509 h2
Drill Guide:
  text "'.Layer_Name'" at 71.603,31.175 h2
Board Shape:
  lines w0.1: 73.384,122.25 73.434,122.2
  lines w0.2: 77.75,149.35 ccw(c78.6,149.35) 78.6,148.5 81.6,148.5 ccw(c81.6,149.35) 82.45,149.35 82.45,149.67 cw(c82.85,149.67) 82.85,150.07 82.875,150.07 84.917,150.07 95.217,150.07 99.929,150.07 108.929,150.07 113.642,150.07 122.978,150.07 125.492,150.07 126.326,150.07 cw(c126.326,149.67) 126.726,149.67 126.726,148.1 ccw(c127.576,148.1) 127.576,147.25 130.576,147.25 ccw(c130.576,148.1) 131.426,148.1 131.426,163.14 ccw(c130.576,163.14) 130.576,163.99 127.531,163.99 ccw(c127.531,163.14) 126.712,163.364 cw(c126.326,163.47) 126.326,163.07 125.492,163.07 122.978,163.07 113.642,163.07 108.929,163.07 99.929,163.07 95.217,163.07 84.917,163.07 82.875,163.07 82.85,163.07 cw(c82.85,163.47) 82.45,163.47 82.45,164.39 ccw(c81.6,164.39) 81.6,165.24 78.6,165.24 ccw(c78.6,164.39) 77.75,164.39 77.75,149.35
  text "'.Layer_Name'" at 71.487,31.334 h2
Bending zones:
  lines w0.2: 82.875,150.07 84.917,150.07 84.917,163.07 82.875,163.07 82.875,150.07 ; 95.217,150.07 99.929,150.07 99.929,163.07 95.217,163.07 95.217,150.07 ; 108.929,150.07 113.642,150.07 113.642,163.07 108.929,163.07 108.929,150.07 ; 122.978,150.07 125.492,150.07 125.492,163.07 122.978,163.07 122.978,150.07
Stiffener:
  circle w0.2: c134.876,146.62 r1
  circle w0.2: c75.225,153.57 r1
  lines w0.2: 73.243,154.466 ccw(c75.225,153.57) 73.914,151.834 78.087,148.673 ccw(c78.6,149.35) 78.6,148.5 81.6,148.5 ccw(c81.6,149.35) 82.45,149.35 82.45,149.67 82.45,164.39 ccw(c81.6,164.39) 81.6,165.24 78.6,165.24 ccw(c78.6,164.39) 77.824,164.736 73.243,154.466 ; 126.726,148.1 ccw(c127.576,148.1) 127.261,147.31 134.053,144.607 ccw(c134.876,146.62) 136.894,147.432 131.379,163.417 ccw(c130.576,163.14) 130.576,163.99 127.531,163.99 ccw(c127.531,163.184) 127.294,163.954 ccw(c127.531,163.184) 126.726,163.184 126.726,148.1
  text "@ JLCPC: Stiffener layer Thickness 0.2 mm    Material: FR4        Placement: Bottom side" at 81.751,150.94 h0.5 r90
  text "@ JLCPC: Stiffener layer Thickness 0.2 mm    Material: FR4        Placement: Bottom side" at 130.751,150.94 h0.5 r90
Top 3D Body:
  pour cut-out: 133.876,146.62 ccw(c134.876,146.62) 134.876,145.62 ccw(c134.876,146.62) 135.876,146.62 ccw(c134.876,146.62) 134.876,147.62 ccw(c134.876,146.62)
Drill Drawing:
  lines w0.15: 58.607,134.073 59.463,134.073 59.463,134.928 58.607,134.928 58.607,134.073
  lines w0.381: 57.833,133.495 148.444,133.495 ; 57.833,135.42 148.444,135.42 ; 64.972,131.57 64.972,137.345 ; 72.585,131.57 72.585,137.345 ; 85.715,131.57 85.715,137.345 ; 92.276,131.57 92.276,137.345 ; 101.762,131.57 101.762,137.345 ; 121.05,131.57 121.05,137.345 ; 128.689,131.57 128.689,137.345 ; 138.33,131.57 138.33,137.345 ; 57.833,131.57 148.444,131.57 148.444,137.345 57.833,137.345 57.833,131.57
  text "Symbol" at 58.988,135.998 h0.92
  text "Count" at 65.55,135.998 h0.92
  text "Hole Size" at 73.163,135.998 h0.92
  text "Plated" at 86.292,135.998 h0.92
  text "Hole Type" at 92.854,135.998 h0.92
  text "Drill Layer Pair" at 102.34,135.998 h0.92
  text "Via/Pad" at 121.628,135.998 h0.92
  text "Pad Shape" at 129.267,135.998 h0.92
  text "Template" at 138.907,135.998 h0.92
  text "155" at 65.55,134.073 h0.77
  text "0.150mm (5.91mil)" at 73.163,134.073 h0.77
  text "PTH" at 86.292,134.073 h0.77
  text "Round" at 92.854,134.073 h0.77
  text "Top Layer - Bottom Layer" at 102.34,134.073 h0.77
  text "Via" at 121.628,134.073 h0.77
  text "Rounded" at 129.267,134.073 h0.77
  text "v35h15m0mx0" at 138.907,134.073 h0.77
  text "155 Total" at 65.55,132.148 h0.77
Top Assembly:
  text "'.Layer_Name'" at 70.24,31.475 h2
Bottom Assembly:
  text "'.Layer_Name'" at 67.574,31.475 h2
Fab Notes:
  drawing of 238 lines, arcs and shapes, not listed
  text "1" at 33.433,288.36 h2.5
  text "2" at 80.517,288.36 h2.5
  text "3" at 128.017,288.36 h2.5
  text "4" at 175.517,288.36 h2.5
  text "A" at 11.767,266.945 h2.5
  text "A" at 196.767,266.945 h2.5
  text "Fabrication Notes" at 118.348,245.524 h1.2
  text "- Board supplier: JLCPCB" at 118.298,243.757 h1
  text "Layer stack table" at 55.518,243.077 h2.54
  text "- Standard Board Stackup: FPC0420TT-121A" at 118.298,242.357 h1
  text "Layer" at 57.201,239.398 h1.52
  text "Name" at 67.613,239.398 h1.52
  text "Material" at 100.115,239.398 h1.52
  text "Thickness" at 116.113,239.398 h1.52
  text "Constant" at 132.619,239.398 h1.52
  text "Flex" at 147.093,239.398 h1.52
  text "Flex Top Coverlay" at 67.613,236.35 h1.52
  text "FC-001" at 100.115,236.35 h1.52
  text "0.028mm" at 116.113,236.35 h1.52
  text "2.9" at 132.619,236.35 h1.52
  text "1" at 57.201,233.302 h1.52
  text "Top Layer" at 67.613,233.302 h1.52
  text "CF-004" at 100.115,233.302 h1.52
  text "0.012mm" at 116.113,233.302 h1.52
  text "Dielectric 1" at 67.613,230.254 h1.52
  text "Polyimide" at 100.115,230.254 h1.52
  text "0.012mm" at 116.113,230.254 h1.52
  text "3.3" at 132.619,230.254 h1.52
  text "Adhesive 3" at 67.613,227.206 h1.52
  text "PP-006" at 100.115,227.206 h1.52
  text "0.025mm" at 116.113,227.206 h1.52
  text "4.1" at 132.619,227.206 h1.52
  text "2" at 57.201,224.158 h1.52
  text "L2 GND" at 67.613,224.158 h1.52
  text "0.012mm" at 116.113,224.158 h1.52
  text "Dielectric 2" at 67.613,221.11 h1.52
  text "Polyimide" at 100.115,221.11 h1.52
  text "0.025mm" at 116.113,221.11 h1.52
  text "3.3" at 132.619,221.11 h1.52
  text "B" at 11.767,219.115 h2.5
  text "B" at 196.767,219.115 h2.5
  text "3" at 57.201,218.062 h1.52
  text "L3 GND" at 67.613,218.062 h1.52
  text "0.012mm" at 116.113,218.062 h1.52
  text "Adhesive 4" at 67.613,215.014 h1.52
  text "PP-006" at 100.115,215.014 h1.52
  text "0.025mm" at 116.113,215.014 h1.52
  text "4.1" at 132.619,215.014 h1.52
  text "Dielectric 3" at 67.613,211.966 h1.52
  text "Polyimide" at 100.115,211.966 h1.52
  text "0.012mm" at 116.113,211.966 h1.52
  text "3.3" at 132.619,211.966 h1.52
  text "4" at 57.201,208.918 h1.52
  text "Bottom Layer" at 67.613,208.918 h1.52
  text "CF-004" at 100.115,208.918 h1.52
  text "0.012mm" at 116.113,208.918 h1.52
  text "Flex Bottom Coverlay" at 67.613,205.87 h1.52
  text "FC-001" at 100.115,205.87 h1.52
  text "0.028mm" at 116.113,205.87 h1.52
  text "2.9" at 132.619,205.87 h1.52
  text "!" at 95.343,187.883 h10
  text "Preliminary design - not fully validated. See schematic for details." at 91.093,176.583 h3
  text "C" at 11.767,171.265 h2.5
  text "C" at 196.767,171.265 h2.5
  text "D" at 11.767,123.435 h2.5
  text "D" at 196.767,123.435 h2.5
  text "E" at 11.767,75.605 h2.5
  text "E" at 196.767,75.605 h2.5
  text "TITLE" at 58.6,50.94 h1
  text ".Pcb_File_Name_No_Path" at 69.07,48.649 h2.5
  text "VARIANT" at 58.6,44.44 h1
  text "APPROVALS" at 111.685,42.485 h1.25
  text "DATE" at 138.559,42.485 h1.25
  text ".VariantName" at 67.438,41.11 h2
  text "LAYER NAME" at 58.6,37.94 h1
  text "DRAWN" at 106.1,37.94 h1
  text "2026-04-25" at 131.1,36.11 h2
  text "Thomas Ludemann" at 105.604,35.36 h1.5
  text "OV Tech GmbH" at 159.521,33.86 h2.5
  text "CHECKED" at 106.1,32.33 h1
  text "Am Weichselgarten 9" at 162.75,31.193 h1.25
  text "2026-04-25" at 131.1,30.5 h2
  text "Thomas Ludemann" at 105.604,29.75 h1.5
  text "91058 Erlangen" at 165.769,28.693 h1.25
  text "F" at 11.767,27.775 h2.5
  text "F" at 196.767,27.775 h2.5
  text "ENGINEER" at 106.1,26.72 h1
  text "Germany" at 169.935,26.693 h1.25
  text "2026-04-25" at 131.1,24.89 h2
  text "https://www.open-visions.com/" at 156.918,24.693 h1.25
  text "Thomas Ludemann" at 105.604,24.14 h1.5
  text "REV." at 153.6,21.11 h1
  text "SIZE" at 162.1,21.11 h1
  text "DATE" at 170.6,21.11 h1
  text "0.1" at 154.6,17.61 h2
  text "A4" at 163.1,17.61 h2
  text ".Print_Date" at 171.6,17.61 h2
  text "SCALE" at 153.6,14.61 h1
  text "PAGE" at 178.6,14.61 h1
  text ".Print_Scale" at 154.437,11.11 h2
  text "1 OF 1" at 181.435,11.11 h2
  text "Copy right 2026 OV Tech GmbH / This hardware design is licensed under the CERN Open Hardware Licence Version 2 - Strongly Reciprocal (CERN-OHL-S-2.0). You may redistribute and modify this design under the terms of the license. This design is provided \"as is\", without any warranties. See LICENSE file in the repository for full license details." at 58.1,10.699 h1
  text "1" at 33.433,6.36 h2.5
  text "2" at 80.517,6.36 h2.5
  text "3" at 128.017,6.36 h2.5
  text "4" at 175.517,6.36 h2.5

## Dimensions
130.576,163.99 to 130.576,147.25 on Board Shape
77.75,164.39 to 131.426,163.14 on Board Shape